# Altium PCB HCRT_STM32_PCB.PcbDoc
Units mm, origin at the board's own origin, x right, y up, seen from the top; angles counter-clockwise.
Board outline 46.48 x 24.56 mm, 2 copper layers (Top Layer, Bottom Layer); 38 components, 49 nets, 178 pads, 40 vias.
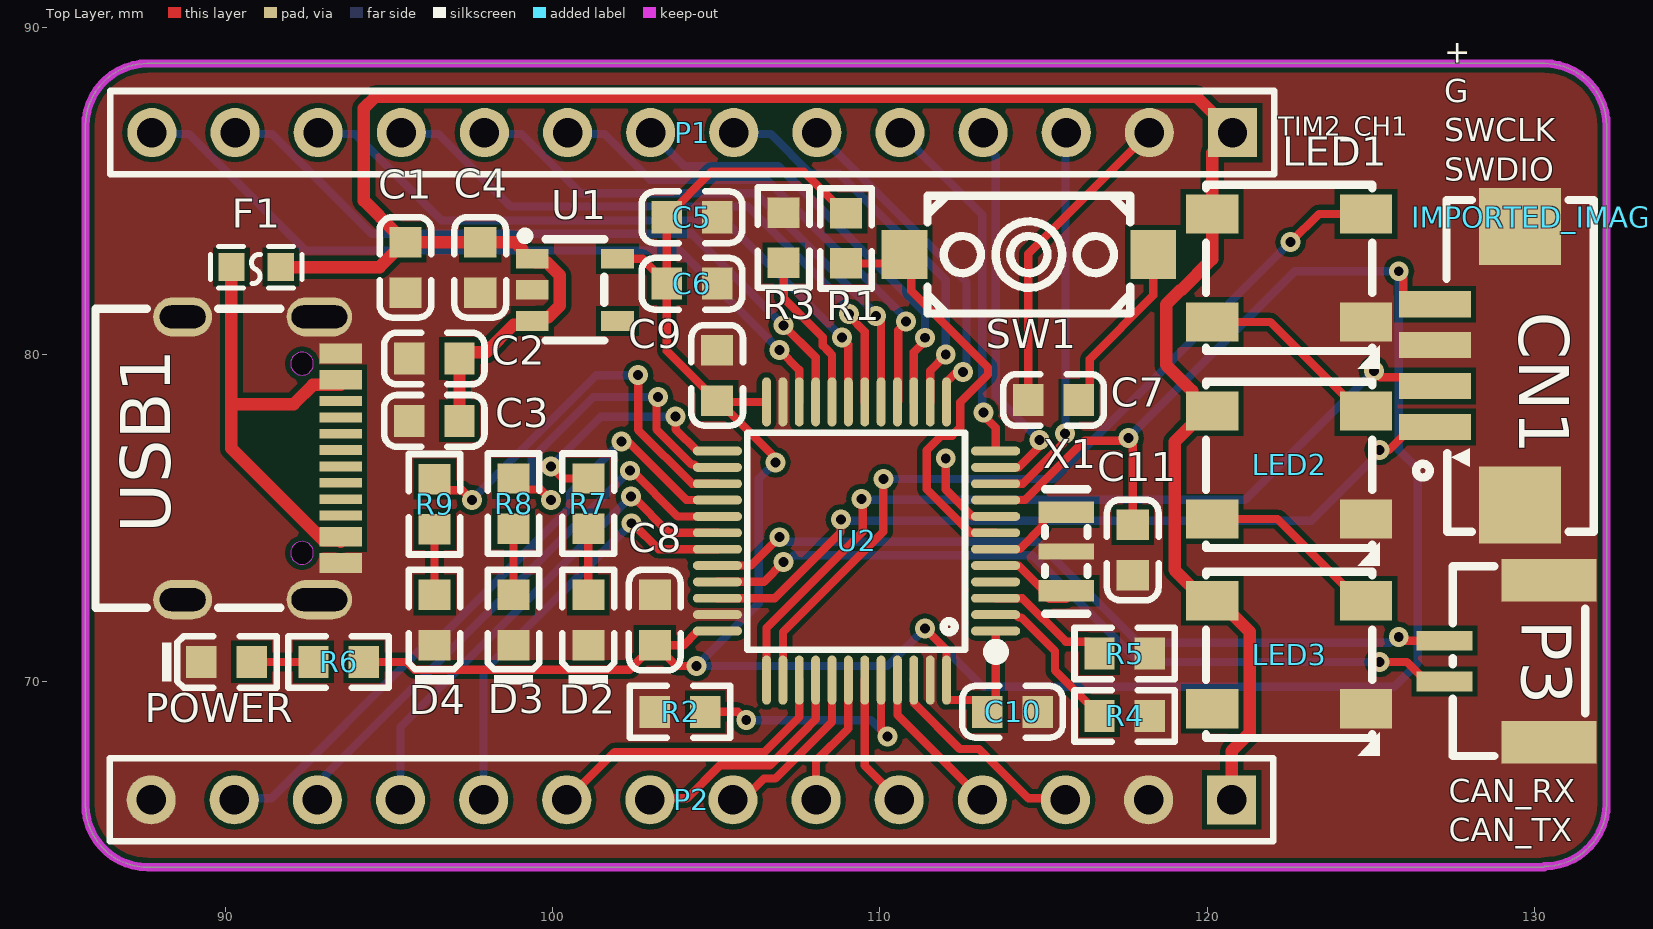
[diagram p0: Top Layer view]
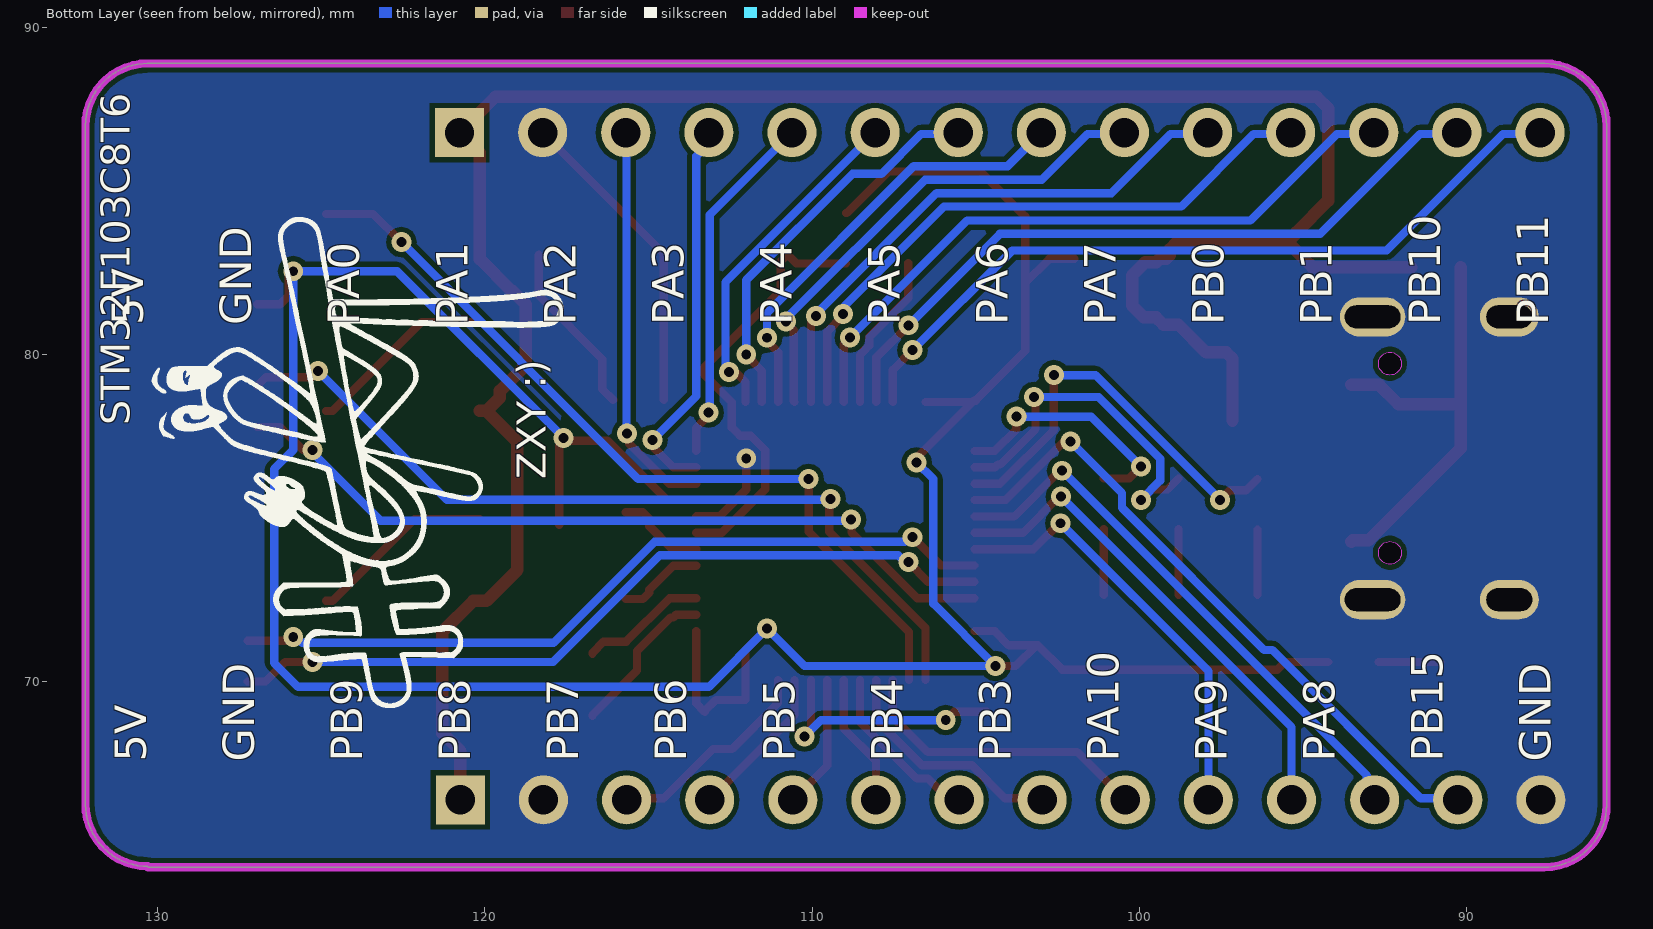
[diagram p1: Bottom Layer view, seen from below]
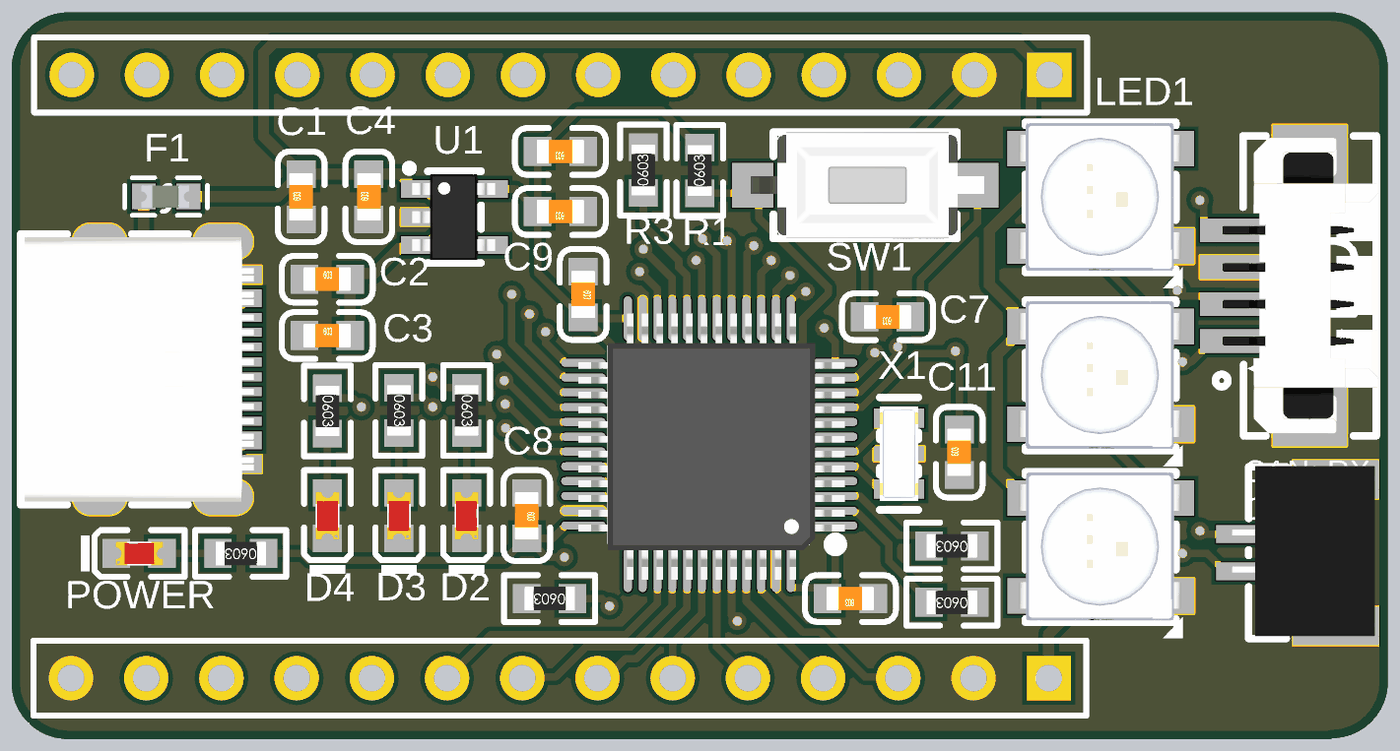
[diagram p2: 3D render of the assembled board from above, using the file's embedded part models]

## Layer stack, top to bottom
Top Solder: solder mask 0.0102, Solder Resist, Dk 3.5
Top Layer: signal copper 0.0356
Dielectric 1: dielectric 0.32, FR-4, Dk 4.8
Bottom Layer: signal copper 0.0356
Bottom Solder: solder mask 0.0102, Solder Resist, Dk 3.5

## Board outline
85.725,66.243 85.725,86.995 cw(c87.63,86.995) 87.63,88.9 130.302,88.9 cw(c130.302,86.995) 132.207,86.995 132.207,66.269 cw(c130.302,66.269) 130.302,64.364 130.302,64.338 87.63,64.338 cw(c87.63,66.243)

## Design rules (kind name [scope] priority, off if disabled: settings)
BoardOutlineClearance [All] p1: gap=0.152 ignorepadtopadclearanceinfootprint=FALSE
Clearance [All] p1: gap=0.152 ignorepadtopadclearanceinfootprint=TRUE
DiffPairsRouting DiffPair_DiffPairsRouting [All] p1: maxlimit=0.254 minlimit=0.152 mostfreqgap=0.152 toplayer_minwidth=0.152 toplayer_maxwidth=0.381 toplayer_prefwidth=0.254 bottomlayer_minwidth=0.152 bottomlayer_maxwidth=0.381 bottomlayer_prefwidth=0.254 maxuncoupledlength=12.7
MatchedLengths DiffPair_MatchedLengths [InDifferentialPair ('NewDifferentialPair1')] p1: tolerance=25.4 checknetsindiffpair=FALSE checkdiffpairvsdiffpair=TRUE checkxsignals=TRUE checkothers=TRUE
MatchedLengths DiffPair_MatchedLengths_1 [InDifferentialPair ('NewDifferentialPair1')] p2: tolerance=25.4 checknetsindiffpair=FALSE checkdiffpairvsdiffpair=TRUE checkxsignals=TRUE checkothers=TRUE
PlaneClearance [All] p1: clearance=0.203
PlaneConnect [All] p1: planeconnectstyle=Direct reliefexpansion=0.508 reliefentries=4 reliefconductorwidth=0.254 reliefairgap=0.254
PolygonConnect [All] p1: connectstyle=Direct reliefconductorwidth=0.254 reliefentries=4 polygonreliefangle="90 Angle" airgapwidth=0.254
RoutingVias [All] p1: holewidth=0.305 width=0.61 viastyle="Through Hole" minholewidth=0.305 minwidth=0.61 maxholewidth=0.711 maxwidth=1.27
SilkToSilkClearance [All] p1: silktosilkclearance=0.102
SilkToSolderMaskClearance [IsPad] p1: minsilkscreentomaskgap=0.051 clearancetoexposedcopper=TRUE
SolderMaskExpansion [IsVia] p1: expansion=0.102 istentingtop=TRUE
Width [All] p1: maxlimit=2.54 minlimit=0.152 preferedwidth=0.254
25 further rules are at their usual default settings.

## Components (designator, comment, footprint, x,y, rotation, side; value= is the part's Value field where it differs from the comment)
C1 "10uF (106) 10% 10V" 0603_C 95.504,82.669 r90 top
C2 "10uF (106) 10% 10V" 0603_C 96.385,79.883 r0 top
C3 "10uF (106) 10% 10V" 0603_C 96.385,77.978 r0 top
C4 "10uF (106) 10% 10V" 0603_C 97.79,82.669 r90 top
C5 "10uF (106) 10% 10V" 0603_C 104.259,84.201 r180 top
C6 "10uF (106) 10% 10V" 0603_C 104.259,82.169 r180 top
C7 "100nF (104) 10% 50V" 0603_C 115.308,78.613 r180 top
C8 "100nF (104) 10% 50V" 0603_C 103.124,71.89 r270 top
C9 "100nF (104) 10% 50V" 0603_C 105.029,79.367 r270 top
C10 "100nF (104) 10% 50V" 0603_C 114.054,69.088 r180 top
C11 "100nF (104) 10% 50V" 0603_C 117.729,74.033 r90 top
CN1 "HC-1.25-4PWT" CONN-SMD_4P-P1.25-HC-1.25-4PWT 128.265,79.667 r90 top
D2 "蓝灯 0603" 0603_LED_S1 101.092,71.89 r90 top
D3 "蓝灯 0603" 0603_LED_S1 98.806,71.89 r90 top
D4 "蓝灯 0603" 0603_LED_S1 96.393,71.89 r90 top
F1 "FUSE0603" F0603 90.941,82.677 r0 top
IMPORTED_IMAGE "Comment" IMPORTED_IMAGE 130.175,84.201 r270 top
LED1 "WS2812C" LED-SMD_4P-L5.0-W5.0-LS5.4-TL-1 122.504,82.652 r0 top
LED2 "WS2812C" LED-SMD_4P-L5.0-W5.0-LS5.4-TL-1 122.504,76.632 r0 top
LED3 "WS2812C" LED-SMD_4P-L5.0-W5.0-LS5.4-TL-1 122.507,70.829 r0 top
P1 "Header 14" HDR1X14 120.777,86.788 r180 top
P2 "Header 14" HDR1X14 120.752,66.396 r180 top
P3 "1.25_2P" CONN-SMD_SM02B-GHS-TB-LF-SN 128.854,70.637 r90 top
POWER "红灯 0603" 0603_LED_S1 90.035,70.612 r0 top (schematic designator D1)
R1 "10KΩ (1002) ±1%" 0603_R 108.966,83.558 r90 top
R2 "100KΩ (1003) ±1%" 0603_R 103.894,69.088 r180 top
R3 "100KΩ (1003) ±1%" 0603_R 107.061,83.574 r90 top
R4 "10KΩ (1002) ±1%" 0603_R 117.483,68.961 r180 top
R5 "10KΩ (1002) ±1%" 0603_R 117.483,70.866 r180 top
R6 "1KΩ (1001) ±1%" 0603_R 93.464,70.612 r180 top
R7 "1KΩ (1001) ±1%" 0603_R 101.092,75.446 r270 top
R8 "1KΩ (1001) ±1%" 0603_R 98.806,75.446 r270 top
R9 "1KΩ (1001) ±1%" 0603_R 96.393,75.43 r270 top
SW1 "K2-1107ST-A4DW-06_C118141" KEY-SMD_L6.2-W3.6-LS8.0 114.554,83.058 r0 top
U1 "XC6210B332MR" SOT-23-5_L3.0-W1.7-P0.95-LS2.8-BR 100.681,81.981 r180 top
U2 "STM32F103CBT6" LQFP-48_L7.0-W7.0-P0.50-LS9.0-BL 109.288,74.307 r90 top
USB1 "KH-TYPE-C-16P" USB-C-SMD_KH-TYPE-C-16P 91.11,76.835 r270 top
X1 "CSTCE8M00G15C99-R0" OSC-SMD_3P-L3.2-W1.3-P1.2-L 115.697,73.985 r270 top value=8MHz

## Footprints (in the part's own frame and the unit in brackets; to place one, negate y for a bottom-side part, rotate by r counter-clockwise, add the part's x,y. Pads: shape width x height; smd on the part's side, far side on the other; paste and mask are expansions set on the pad)
0603_C [mm]
  rect 0.93x0.98 smd: 1(-0.77,0) 2(0.77,0)
  silkscreen extent -1.54,-0.79 1.54,0.79, body extent -0.8,-0.4 0.8,0.4, height 0.3
0603_LED_S1 [mm]
  rect 0.93x0.98 smd: A(0.77,0) K(-0.77,0)
  silkscreen extent -1.98,-0.79 1.54,0.79, body extent -0.8,-0.4 0.8,0.4, height 0.6
0603_R [mm]
  rect 0.93x0.98 smd: 1(-0.77,0) 2(0.77,0)
  silkscreen extent -1.54,-0.79 1.53,0.79, body extent -0.85,-0.4 0.85,0.4, height 0.56
CONN-SMD_4P-P1.25-HC-1.25-4PWT [mil]
  rect 31.5x86.6 smd mask+1.97: 1(-73.8,51.2) 2(-24.6,51.2) 3(24.6,51.2) 4(73.8,51.2)
  rect 92.5x98.4 smd mask+1.97: 5(167.5,-51.2) 6(-167.5,-51.2)
  silkscreen extent -200,-140 199,74, body extent -197,-142 197,65, height 137
CONN-SMD_SM02B-GHS-TB-LF-SN [mil]
  rect 23.6x66.9 smd mask+2: 1(-24.6,63) 2(24.6,63)
  rect 51.2x114.2 smd mask+2: 3(97.4,-63) 4(-97.4,-63)
  silkscreen extent -114,-106 114,53, body extent -111,-115 115,76, height 166
F0603 [mm]
  rect 0.806x0.864 smd mask+0.051: 1(-0.753,0) 2(0.753,0)
  silkscreen extent -1.4,-0.64 1.4,0.64, body extent -0.83,-0.37 0.77,0.38, height 0.75
HDR1X14 [mm] "Connector; Header; 14 Position"
  rect 1.5x1.5 hole 0.9: 1(0,0)
  round 1.5 hole 0.9: 2(2.54,0) 3(5.08,0) 4(7.62,0) 5(10.16,0) 6(12.7,0) 7(15.24,0) 8(17.78,0) 9(20.32,0) 10(22.86,0) 11(25.4,0) 12(27.94,0) 13(30.48,0) 14(33.02,0)
  silkscreen extent -1.27,-1.27 34.29,1.27
IMPORTED_IMAGE [mm]
KEY-SMD_L6.2-W3.6-LS8.0 [mm]
  rect 1.4x1.5 smd mask+0.051: 1(-3.8,0) 2(3.8,0)
  silkscreen extent -3.1,-1.8 3.1,1.8, body extent -3.87,-1.8 4.03,1.8, height 2.68
LED-SMD_4P-L5.0-W5.0-LS5.4-TL-1 [mm]
  rect 1.6x1.2 smd mask+0.05: 1(-2.35,1.65) 2(-2.35,-1.65) 3(2.35,-1.65) 4(2.35,1.65)
  silkscreen extent -2.54,-3.09 2.77,2.54, body extent -2.76,-2.49 2.7,2.51, height 1.68
LQFP-48_L7.0-W7.0-P0.50-LS9.0-BL [mm]
  oval 0.27x1.5 smd mask+0.05: 1(-2.75,-4.25) 2(-2.25,-4.25) 3(-1.75,-4.25) 4(-1.25,-4.25) 5(-0.75,-4.25) 6(-0.25,-4.25) 7(0.25,-4.25) 8(0.75,-4.25) 9(1.25,-4.25) 10(1.75,-4.25) 11(2.25,-4.25) 12(2.75,-4.25) 25(2.75,4.25) 26(2.25,4.25) 27(1.75,4.25) 28(1.25,4.25) 29(0.75,4.25) 30(0.25,4.25) 31(-0.25,4.25) 32(-0.75,4.25) 33(-1.25,4.25) 34(-1.75,4.25) 35(-2.25,4.25) 36(-2.75,4.25)
  oval 1.5x0.27 smd mask+0.05: 13(4.25,-2.75) 14(4.25,-2.25) 15(4.25,-1.75) 16(4.25,-1.25) 17(4.25,-0.75) 18(4.25,-0.25) 19(4.25,0.25) 20(4.25,0.75) 21(4.25,1.25) 22(4.25,1.75) 23(4.25,2.25) 24(4.25,2.75) 37(-4.25,2.75) 38(-4.25,2.25) 39(-4.25,1.75) 40(-4.25,1.25) 41(-4.25,0.75) 42(-4.25,0.25) 43(-4.25,-0.25) 44(-4.25,-0.75) 45(-4.25,-1.25) 46(-4.25,-1.75) 47(-4.25,-2.25) 48(-4.25,-2.75)
  silkscreen extent -3.59,-4.46 3.3,3.34, body extent -4.59,-4.58 4.41,4.42, height 1.56
OSC-SMD_3P-L3.2-W1.3-P1.2-L [mm]
  rect 0.65x1.699 smd mask+0.051: 1(-1.199,0) 3(1.199,0)
  rect 0.5x1.699 smd mask+0.051: 2(0,0)
  silkscreen extent -1.9,-0.65 1.9,0.65, body extent -1.6,-0.65 1.6,0.65, height 0.7
SOT-23-5_L3.0-W1.7-P0.95-LS2.8-BR [mm]
  rect 1x0.6 smd mask+0.051: 1(1.3,-0.95) 2(1.3,0) 3(1.3,0.95) 4(-1.3,0.95) 5(-1.3,-0.95)
  silkscreen extent -0.9,-1.78 1.65,1.55, body extent -1.37,-1.45 1.43,1.45, height 1.45
USB-C-SMD_KH-TYPE-C-16P [mm]
  oval 1.2x2 hole 0.7 slot 1.7 at 90 deg mask+0.051: 1(-4.32,1.765) 2(4.32,1.765)
  oval 1.2x1.8 hole 0.7 slot 1.4 at 90 deg mask+0.051: 3(-4.32,-2.415) 4(4.32,-2.415)
  rect 0.3x1.3 smd mask+0.05: A1(-3.35,2.415) A4(-2.55,2.415) A5(-1.25,2.415) A6(-0.25,2.415) A7(0.25,2.415) A8(1.25,2.415) A9(2.55,2.415) A12(3.35,2.415) B1(3.05,2.415) B4(2.25,2.415) B5(1.75,2.415) B6(0.75,2.415) B7(-0.75,2.415) B8(-1.75,2.415) B9(-2.25,2.415) B12(-3.05,2.415)
  Keep-Out Layer board cut-out: -2.54,1.235 -2.575,1.387 -2.672,1.509 -2.812,1.576 -2.968,1.576 -3.108,1.509 -3.205,1.387 -3.24,1.235 -3.24,1.235 -3.205,1.083 -3.108,0.961 -2.968,0.894 -2.812,0.894 -2.672,0.961 -2.575,1.083 -2.54,1.235
  Keep-Out Layer board cut-out: 3.24,1.235 3.205,1.387 3.108,1.509 2.968,1.576 2.812,1.576 2.672,1.509 2.575,1.387 2.54,1.235 2.54,1.235 2.575,1.083 2.672,0.961 2.812,0.894 2.968,0.894 3.108,0.961 3.205,1.083 3.24,1.235
  silkscreen extent -4.57,-5.08 4.57,0.57, body extent -4.47,-4.95 4.47,2.8, height 3.23

## Part data
C1 C2 C3 C4 C5 C6: library part "0603 10uF (106) 10% 10V", "贴片电容", Package=0603, SuppliersPartNumber=C19702, ComponentLink1Description=供应商链接, ComponentLink1URL=http://www.szlcsc.com/product/details_20411.html, Supplier=LC
C7 C8 C9 C10 C11: library part "0603 100nF (104) 10% 50V", "贴片电容", Package=0603, SuppliersPartNumber=C14663, ComponentLink1Description=供应商链接, ComponentLink1URL=http://www.szlcsc.com/product/details_15331.html, Supplier=LC
CN1: Current Rating (Max)=1A, JLCPCB Part Class="Extended Part", LCSC Part Name="4P 卧贴 间距P=1.25mm", Manufacturer=HCTL(华灿天禄), Operating Temperature Range=-25℃~+85℃, Add into BOM=yes, Convert to PCB=yes, Datasheet=https://atta.szlcsc.com/upload/public/pdf/source/20210728/C2845379_48B7DC28A4B35DB030A7253F7C3FD974.pdf, Device=HC-1.25-4PWT, Gender=公型插针, Manufacturer Part=HC-1.25-4PWT, Mounting Style=卧贴, Name=HC-1.25-4PWT, Number of PINs Per Row=4, Number of Rows=1, Pins Structure=1x4P, Pitch=1.25mm, Reference Series=-, Row Spacing=-, Supplier=LCSC, Supplier Footprint=SMD,P=1.25mm, Supplier Part=C2845381, Symbol=HC-1.25-4PWT
D2 D3 D4: library part "0603 蓝灯", "发光二极管", Package=0603, SuppliersPartNumber=C72041, ComponentLink1Description=供应商链接, ComponentLink1URL=http://www.szlcsc.com/product/details_73150.html, Supplier=LC
F1: Current Rating (Max)=50A, Hold Current=1.5A, JLCPCB Part Class="Extended Part", LCSC Part Name="0603 1.5A 6V", Manufacturer=BHFUSE(佰宏), Manufacturer Part=BSMD0603L-150, Operating Temperature=-40℃~+85℃, Operating Voltage (Max)=6V, Power Dissipation=1W, Resistance - Initial (Ri) (Min)=5mΩ, Resistance - Post Trip (R1) (Max)=55mΩ, Trip Current=3A, Add into BOM=yes, Convert to PCB=yes, Datasheet=https://atta.szlcsc.com/upload/public/pdf/source/20210323/C914094_E2A7202F3A3191041F4CBB065BB19E4A.pdf, Device=BSMD0603L-150, Maximum Time to Trip=500ms, Name=BSMD0603L-150, Supplier=LCSC, Supplier Footprint=0603, Supplier Part=C914094, Symbol=BSMD0603L-150
LED1 LED2 LED3: Emitted Color=RGB三色, JLCPCB Part Class="Extended Part", LCSC Part Name="RGB三色 （注意防潮，请查阅规格书中对应具体内容）", Manufacturer=worldsemi, Add into BOM=yes, Convert to PCB=yes, Datasheet=https://atta.szlcsc.com/upload/public/pdf/source/20171019/C114587_15083980074721044737.pdf, Device=WS2812C, Manufacturer Part=WS2812C, Name=WS2812C, Supplier=LCSC, Supplier Footprint=5050(mm), Supplier Part=C114587, Symbol=WS2812C
P1 P2: "Header, 14-Pin", LatestRevisionDate=17-Jul-2002, LatestRevisionNote="Re-released for DXP Platform.", Publisher="Altium Limited"
P3: JLCPCB Part Class="Extended Part", LCSC Part Name="GH系列 插座 1*2P 间距1.25mm 贴片", Manufacturer=JST, Manufacturer Part=SM02B-GHS-TB(LF)(SN), Add into BOM=yes, Contact Material=磷青铜, Convert to PCB=yes, Datasheet=https://atta.szlcsc.com/upload/public/pdf/source/20180327/C189893_080A21CBA32DEDB99FCCE389533BAAB8.pdf, Device=SM02B-GHS-TB(LF)(SN), Mounting Style=-, Name=SM02B-GHS-TB(LF)(SN), Number of PINs Per Row=2, Number of Rows=1, Pins Structure=1x2P, Pitch=1.25mm, Reference Series=GH, Row Spacing=-, Supplier=LCSC, Supplier Footprint=SMD,P=1.25mm, Supplier Part=C189893, Symbol=SM02B-GHS-TB(LF)(SN)
POWER: library part "0603 红灯", "发光二极管", Package=0603, SuppliersPartNumber=C2286, ComponentLink1Description=供应商链接, ComponentLink1URL=http://www.szlcsc.com/product/details_2659.html, Supplier=LC
R1 R4 R5: library part "0603 10KΩ (1002) 1%", "贴片电阻", Package=0603, SuppliersPartNumber=C25804, ComponentLink1Description=供应商链接, ComponentLink1URL=http://www.szlcsc.com/product/details_26547.html, Supplier=LC
R2 R3: library part "0603 100KΩ (1003) 1%", "贴片电阻", Package=0603, SuppliersPartNumber=C25803, ComponentLink1Description=供应商链接, ComponentLink1URL=http://www.szlcsc.com/product/details_26546.html, Supplier=LC
R6 R7 R8 R9: library part "0603 1KΩ (1001) 1%", "贴片电阻", Package=0603, SuppliersPartNumber=C21190, ComponentLink1Description=供应商链接, ComponentLink1URL=http://www.szlcsc.com/product/details_21904.html, Supplier=LC
SW1: Contact Current=50mA, Insulation Resistance=100MΩ, JLCPCB Part Class="Extended Part", LCSC Part Name="轻触开关 3.6*6.1*2.5", Manufacturer=韩国韩荣, Manufacturer Part=K2-1107ST-A4DW-06, Operating Force=250gf@±30gf, Operating Temperature=-25℃~+85℃, Voltage Rating (DC)=12V, Actuator Style=矩形按钮, Add into BOM=yes, Circuit=单刀单掷, Convert to PCB=yes, Datasheet=https://atta.szlcsc.com/upload/public/pdf/source/20210810/381712CEF248770C072B585C3485C888.pdf, Device=K2-1107ST-A4DW-06_C118141, Mechanical Life=100000, Mounting Style=立贴, Name=K2-1107ST-A4DW-06, Supplier=LCSC, Supplier Footprint=SMD, Supplier Part=C118141, Switch Height=2.5mm, Switch Length=6.1mm, Switch Width=3.6mm, Symbol=K2-1107ST-A4SW-06, With Lamp=-
U1: Dropout Voltage=75mV@(100mA), JLCPCB Part Class="Extended Part", LCSC Part Name="Vin=6V Vout=3.3V 900mA 60dB@(1kHz)", Manufacturer=TOREX(特瑞仕), Maximum Input Voltage=6V, Output Current=900mA, Output Voltage=3.3V, Power Supply Rejection Ratio (PRSS)=60dB@(1kHz), Add into BOM=yes, Convert to PCB=yes, Datasheet=https://atta.szlcsc.com/upload/public/pdf/source/20190903/C424705_1DFB2113A9A78D399905DBF688657204.pdf, Device=XC6210B332MR_C424705, Manufacturer Part=XC6210B332MR, Name=XC6210B332MR, Number of Outputs=1, Output Polarity=正, Output Type=固定, Supplier=LCSC, Supplier Footprint=SOT-25, Supplier Part=C424705, Symbol=XC6210B332MR_C424705
U2: JLCPCB Part Class="Extended Part", Manufacturer=ST(意法半导体), Voltage - Supply (Vcc/Vdd)="2V ~ 3.6V", A/D=16x12bit, Add into BOM=yes, CAN=1, Convert to PCB=yes, Datasheet=https://atta.szlcsc.com/upload/public/pdf/source/20140724/1457707170379.pdf, Device=STM32F103CBT6, I2C（SMBUS/PMBUS）=2, LCSC Part Name=STM32F103CBT6, Manufacturer Part=STM32F103CBT6, Name=STM32F103CBT6, Number of I/O=37, PWM=13, RAM Size=20KB, Speed=72MHz, Supplier=LCSC, Supplier Footprint=LQFP-48_7x7x05P, Supplier Part=C8304, Symbol=STM32F103CBT6, UART/USART="3 USART", USB Device=1
USB1: Current Rating - Power (Max)=3A, JLCPCB Part Class="Extended Part", LCSC Part Name="Type-C 母座 卧贴", Manufacturer=kinghelm(金航标), Operating Temperature Range=-40℃~+85℃, Add into BOM=yes, Connector Type=Type-C, Convert to PCB=yes, Datasheet=https://atta.szlcsc.com/upload/public/pdf/source/20200911/C709357_AA8DCEB38BB20E3035A7ED7AE7667837.pdf, Device=KH-TYPE-C-16P, Gender=母座, Manufacturer Part=KH-TYPE-C-16P, Mounting Style=卧贴, Name=KH-TYPE-C-16P, Number of Contacts=16, Number of Ports=1, Standard=-, Supplier=LCSC, Supplier Footprint=SMD, Supplier Part=C709357, Symbol=KH-TYPE-C-16P
X1: Built-in Load Capacitance=33pF, Frequency Stability=±0.13%, Frequency Tolerance=±0.1%, JLCPCB Part Class="Extended Part", LCSC Part Name="8M ±0.1% 33pF", Manufacturer=muRata(村田), Operating Temperature=-40℃~+125℃, Add into BOM=yes, Convert to PCB=yes, Datasheet=https://atta.szlcsc.com/upload/public/pdf/source/20180327/C110614_9F5031E08ADB10DE4472527BF78A8CAF.pdf, Device=CSTCE8M00G15C99-R0, Manufacturer Part=CSTCE8M00G15C99-R0, Name=8MHz, Resonant Impedance=40Ω, Supplier=LCSC, Supplier Footprint=SMD3213-3P, Supplier Part=C110614, Symbol=CSTCE8M00G15C99-R0

## Via types
v1: diameter 0.61, hole 0.305, Top Layer to Bottom Layer, tented both sides, 40 vias

## Nets (pads, with @x,y where several pads share a name; then routed paths per layer and width w, separated by ;. In a path a pad name is that pad's centre, name@x,y a point inside that pad or via, vN(x,y) a via of type N, cw(c..) or ccw(c..) an arc to the next point about the centre after c; other vN are vias at no path point)
3V3: C5.2 C6.2 C8.2 C9.2 C10.2 C11.2 CN1.4 R1.2 R6.1 U1.5 U2.1 U2.9 U2.24 U2.36 U2.48 | length 100.7
  Top Layer w0.254: R6.1 95.551,70.612 95.787,70.376 102.355,70.376 103.099,71.12 C8.2 C8.2@103.149,71.12 ; U1.5 102.752,82.931 C6.2@103.489,82.194 ; v1(104.394,70.485) 103.784,70.485 C8.2@103.149,71.12 ; U2.36 104.427,71.557 104.42,71.549 104.42,71.545 103.995,71.12 C8.2@103.149,71.12 ; U2.24 C9.2@105.094,78.557 ; v1(106.807,76.708) 106.807,76.844 C9.2@105.094,78.557 ; R1.2 108.941,84.328 107.671,85.598 104.861,85.598 103.489,84.226 C5.2 C6.2@103.489,82.194 ; v1(111.379,71.628) 112.035,70.972 112.035,70.06 U2.48 112.038,69.458 112.046,69.451 112.946,69.451 113.284,69.113 C10.2 113.538,69.342 U2.1 ; U2.9 114.441,75.557 116.258,77.374 v1@117.602,77.374 ; v1@117.602,77.358 117.729,77.231 C11.2 ; v1(125.857,82.55) 125.992,82.415 125.992,81.815 126.265,81.542 CN1.4 ; C6.2@103.489,82.194 C6.2 103.489,80.112 105.004,78.597 C9.2 105.054,78.597 C9.2@105.094,78.557
  Bottom Layer w0.254: v1(106.807,76.708) 106.299,76.2 106.299,72.39 v1(104.394,70.485) 110.236,70.485 v1(111.379,71.628) 113.157,69.85 125.708,69.85 126.441,70.583 126.441,76.501 125.857,77.085 v1(125.857,82.55) 122.682,82.55 v1@117.602,77.47
  other v1: 117.602,77.454
5V: C1.2 C2.2 C3.2 C4.2 F1.2 LED1.1 LED2.1 LED3.1 P1.1 P2.1 U1.1 U1.3 | length 71.4
  Top Layer w0.381: F1.2 94.717,82.677 C1.2@95.479,83.439 ; C3.2 C2.2 97.346,80.074 97.965,80.074 98.813,80.922 99.271,80.922 99.49,81.141 99.866,81.141 100.224,81.499 100.224,82.423 99.825,82.822 99.49,82.822 U1.1 99.181,82.931 99.071,83.04 99.071,83.216 98.848,83.439 C4.2 C1.2 C1.2@95.479,83.439 ; LED2.1 LED2.1@119.954,78.282 ; P2.1 120.752,67.889 121.3,68.437 121.3,71.537 120.357,72.479 LED3.1 119.957,72.479 119.011,73.425 119.011,77.339 LED2.1@119.954,78.282 ; C1.2@95.479,83.439 95.204,83.714 95.204,83.739 94.234,84.709 94.234,87.534 94.581,87.881 119.684,87.881 P1.1 120.154,86.165 LED1.1 120.154,82.923 119.196,81.965 119.176,81.965 118.745,81.534 118.745,79.691 119.545,78.891 119.545,78.691 LED2.1@119.954,78.282
BOOT0: R2.1 U2.44 | length 7.7
  Top Layer w0.254: R2.1 105.664,69.088 v1(105.918,68.834) ; U2.44 110.038,68.524 v1(110.236,68.326)
  Bottom Layer w0.254: v1(105.918,68.834) 109.728,68.834 v1(110.236,68.326)
BOOT1: R3.1 U2.20 | length 4.9
  Top Layer w0.254: R3.1 107.061,81.725 108.257,80.529 108.257,80.278 108.445,80.09 108.538,79.997 U2.20
CAN_RX: P3.2 U2.32 | length 24
  Top Layer w0.254: U2.32 106.069,73.557 v1(106.934,74.422) ; v1(125.857,71.374) 125.969,71.262 P3.2
  Bottom Layer w0.254: v1(106.934,74.422) 107.03,74.422 107.171,74.282 114.818,74.282 117.903,71.196 125.583,71.196 125.761,71.374 v1(125.857,71.374)
CAN_TX: P3.1 U2.33 | length 24.2
  Top Layer w0.254: U2.33 106.458,73.057 v1(107.061,73.66) ; v1(125.273,70.612) 126.105,70.612 126.704,70.013 P3.1
  Bottom Layer w0.254: v1(107.061,73.66) 107.157,73.66 107.372,73.875 114.65,73.875 117.913,70.612 v1(125.273,70.612)
GND: C1.1 C2.1 C3.1 C4.1 C5.1 C6.1 C7.2 C8.1 C9.1 C10.1 C11.1 CN1.3 CN1.5 CN1.6 D2.K D3.K D4.K LED1.3 LED2.3 LED3.3 P1.2 P2.2 P2.14 P3.3 P3.4 POWER.K R2.2 R3.2 R4.1 R5.1 U1.2 U2.8 U2.23 U2.35 U2.47 USB1.1 USB1.2 USB1.3 USB1.4 USB1.A1 USB1.A12 USB1.B1 USB1.B12 X1.2 | length 12.5
  Top Layer w0.254: v1(112.014,76.835) 112.014,75.88 112.834,75.06 113.535,75.06 U2.8 ; C7.2 114.538,83.089 P1.2
LED_IN: LED1.4 U2.38 | length 25.5
  Top Layer w0.254: U2.38 107.038,71.523 110.109,74.594 v1(110.109,76.2) ; v1(122.555,83.439) 123.418,84.302 LED1.4
  Bottom Layer w0.254: v1(110.109,76.2) 115.316,76.2 v1(122.555,83.439)
NetC7_1: C7.1 SW1.2 | length 5.4
  Top Layer w0.254: C7.1 116.416,78.951 116.416,79.87 118.354,81.807 SW1.2
NetD1_A: POWER.A R6.2 | length 1.9
  Top Layer w0.254: POWER.A R6.2
NetD2_A: D2.A R7.2 | length 2
  Top Layer w0.254: D2.A R7.2
NetD3_A: D3.A R8.2 | length 2
  Top Layer w0.254: D3.A R8.2
NetD4_A: D4.A R9.2 | length 2
  Top Layer w0.254: D4.A R9.2
NetLED1_2: LED1.2 LED2.4 | length 5.8
  Top Layer w0.254: LED1.2 121.935,81.001 124.654,78.282 LED2.4
NetLED2_2: LED2.2 LED3.4 | length 5.7
  Top Layer w0.254: LED2.2 122.154,74.982 124.657,72.479 LED3.4
NetR4_2: R4.2 U2.2 | length 4.8
  Top Layer w0.254: U2.2 114.157,72.057 114.243,71.971 114.325,71.971 115.35,70.946 115.35,70.349 116.713,68.986 R4.2
NetR5_2: R5.2 U2.3 | length 3.9
  Top Layer w0.254: U2.3 113.541,72.554 114.36,72.554 115.684,71.229 116.375,71.229 116.713,70.891 R5.2
NetU2_5: U2.5 X1.3 | length 2.6
  Top Layer w0.254: U2.5 113.541,73.554 114.242,73.554 114.615,73.181 114.974,72.822 114.974,72.73 115.172,72.532 X1.3@115.697,72.532
NetU2_6: U2.6 X1.1 | length 2.8
  Top Layer w0.254: U2.6 113.541,74.06 114.277,74.06 114.974,74.757 114.974,74.986 115.172,75.184 X1.1
PA0: P1.3 U2.10 | length 12.1
  Top Layer w0.254: U2.10 113.541,76.06 114.369,76.06 115.586,77.277 115.586,77.528 v1(115.654,77.596)
  Bottom Layer w0.254: v1(115.654,77.596) 115.675,77.618 115.675,86.766 P1.3
PA1: P1.4 U2.11 | length 11.9
  Top Layer w0.254: U2.11 113.541,76.56 114.242,76.56 114.88,77.198 v1(114.88,77.398)
  Bottom Layer w0.254: P1.4 113.157,86.451 113.538,86.07 113.538,78.74 v1(114.88,77.398)
PA2: P1.5 U2.12 | length 10.9
  Top Layer w0.254: v1(113.17,78.232) 113.17,78.136 113.538,77.768 U2.12
  Bottom Layer w0.254: P1.5 113.132,84.273 113.132,78.271 v1(113.17,78.232)
PA3: P1.6 U2.13 | length 10.5
  Top Layer w0.254: U2.13 112.038,79.168 112.268,79.398 112.479,79.398 v1(112.547,79.466)
  Bottom Layer w0.254: P1.6 112.649,82.216 112.649,79.568 v1(112.547,79.466)
PA4: P1.7 U2.14 | length 12.3
  Top Layer w0.254: U2.14 111.541,78.56 111.541,79.513 112.014,79.986 v1(112.014,80.01)
  Bottom Layer w0.254: P1.7 105.584,86.741 106.668,86.741 107.885,85.525 108.766,85.525 112.014,82.276 v1(112.014,80.01)
PA5: P1.8 U2.15 | length 13.5
  Top Layer w0.254: U2.15 111.038,80.081 111.379,80.422 v1(111.379,80.518)
  Bottom Layer w0.254: P1.8 104.026,85.759 106.9,85.759 111.379,81.28 v1(111.379,80.518)
PA6: P1.9 U2.16 | length 15.3
  Top Layer w0.254: U2.16 110.559,78.577 110.559,80.744 110.795,80.981 v1(110.795,81.016)
  Bottom Layer w0.254: P1.9 100.504,86.741 101.588,86.741 102.985,85.344 106.553,85.344 110.795,81.102 v1(110.795,81.016)
PA7: P1.10 U2.17 | length 17
  Top Layer w0.254: v1(109.886,81.184) 109.889,81.184 110.038,81.036 U2.17
  Bottom Layer w0.254: P1.10 97.964,86.741 99.048,86.741 100.852,84.938 106.197,84.938 109.886,81.249 v1(109.886,81.184)
PA8: P2.12 U2.29 | length 17.3
  Top Layer w0.254: v1(102.362,76.454) 102.426,76.454 103.823,75.057 U2.29
  Bottom Layer w0.254: P2.12 93.05,66.634 93.05,67.142 v1(102.362,76.454)
PA9: P2.11 U2.30 | length 15.3
  Top Layer w0.254: v1(102.394,75.66) 102.458,75.66 103.561,74.557 U2.30
  Bottom Layer w0.254: P2.11 95.352,68.617 98.934,72.2 v1(102.394,75.66)
PA10: P2.10 U2.31 | length 13.3
  Top Layer w0.254: v1(102.41,74.849) 102.443,74.849 103.235,74.057 U2.31
  Bottom Layer w0.254: P2.10 97.892,70.331 v1(102.41,74.849)
PB0: P1.11 U2.18 | length 19
  Top Layer w0.254: v1(109.059,81.25) 109.126,81.183 109.126,81.131 109.302,80.954 109.302,80.942 109.538,80.707 U2.18
  Bottom Layer w0.254: P1.11 95.424,86.741 96.508,86.741 98.718,84.531 105.969,84.531 108.944,81.556 ; 108.944,81.555 108.991,81.509 108.991,81.318 v1(109.059,81.25)
PB1: P1.12 U2.19 | length 20.6
  Top Layer w0.254: v1(108.841,80.52) 108.841,80.516 109.038,80.319 U2.19
  Bottom Layer w0.254: P1.12 92.884,86.741 93.968,86.741 96.61,84.099 105.262,84.099 v1(108.841,80.52)
PB3: P2.9 U2.39 | length 9.3
  Top Layer w0.254: P2.9 101.897,67.861 106.469,67.861 107.541,68.933 107.541,70.054 U2.39
PB4: P2.8 U2.40 | length 7.3
  Top Layer w0.254: P2.8 103.018,66.442 104.103,66.442 105.115,67.455 106.637,67.455 107.645,68.462 108.038,68.855 U2.40
PB5: P2.7 U2.41 | length 5.3
  Top Layer w0.254: P2.7 105.806,66.396 106.458,67.048 106.806,67.048 107.645,67.888 108.538,68.781 U2.41
PB6: P2.6 U2.42 | length 4.1
  Top Layer w0.254: P2.6 108.052,67.592 109.038,68.578 U2.42
PB7: P2.5 U2.43 | length 4.1
  Top Layer w0.254: U2.43 109.538,67.449 P2.5
PB8: P2.4 U2.45 | length 4.7
  Top Layer w0.254: U2.45 110.538,68.989 P2.4
PB9: P2.3 U2.46 | length 6.6
  Top Layer w0.254: U2.46 111.041,70.054 111.041,69.353 112.442,67.952 113.031,67.952 114.541,66.442 115.625,66.442 P2.3
PB10: P1.13 U2.21 | length 22
  Top Layer w0.254: v1(107.061,80.899) 108.038,79.922 U2.21
  Bottom Layer w0.254: P1.13 90.344,86.741 91.428,86.741 94.476,83.693 104.267,83.693 v1(107.061,80.899)
PB11: P1.14 U2.22 | length 23.8
  Top Layer w0.254: v1(106.934,80.137) 107.535,79.536 107.535,78.56 U2.22
  Bottom Layer w0.254: P1.14 87.804,86.741 88.888,86.741 92.444,83.185 103.886,83.185 v1(106.934,80.137)
PB12: R7.1 U2.25 | length 7.7
  Top Layer w0.254: v1(99.949,76.581) 100.314,76.216 R7.1 ; v1(103.759,78.105) 103.759,77.721 104.423,77.057 U2.25
  Bottom Layer w0.254: v1(99.949,76.581) 101.473,78.105 v1(103.759,78.105)
PB13: R8.1 U2.26 | length 10.9
  Top Layer w0.254: R8.1 99.144,75.878 99.636,75.878 v1(99.949,75.565) ; v1(103.216,78.705) 103.175,78.664 103.175,77.719 104.251,76.643 104.333,76.643 104.419,76.557 U2.26
  Bottom Layer w0.254: v1(99.949,75.565) 99.365,76.149 99.365,76.823 101.247,78.705 v1(103.216,78.705)
PB14: R9.1 U2.27 | length 12.8
  Top Layer w0.254: R9.1 96.731,75.862 97.239,75.862 v1(97.536,75.565) ; v1(102.616,79.375) 102.616,77.703 104.259,76.06 105.035,76.06 U2.27
  Bottom Layer w0.254: v1(97.536,75.565) 97.536,75.569 101.342,79.375 v1(102.616,79.375)
PB15: P2.13 U2.28 | length 20.3
  Top Layer w0.254: v1(102.108,77.343) 102.299,77.343 104.085,75.557 U2.28
  Bottom Layer w0.254: P2.13 90.318,66.442 91.403,66.442 95.939,70.979 96.189,70.979 100.533,75.323 100.533,75.768 v1(102.108,77.343)
RESET: R1.1 SW1.1 U2.7 | length 13.8
  Top Layer w0.254: R1.1 110.484,82.788 SW1.1 110.964,82.848 110.964,81.949 113.306,79.607 113.306,79.397 112.453,78.544 112.453,77.77 112.21,77.527 111.88,77.527 111.43,77.077 111.43,75.889 112.759,74.56 113.535,74.56 U2.7
SWCLK: CN1.2 U2.37 | length 26.1
  Top Layer w0.254: U2.37 106.538,71.653 109.474,74.589 109.474,75.565 v1(109.442,75.597) ; v1(125.095,79.502) 125.282,79.315 126.691,79.315 CN1.2
  Bottom Layer w0.254: v1(109.442,75.597) 109.474,75.565 121.158,75.565 v1(125.095,79.502)
SWDIO: CN1.1 U2.34 | length 24.4
  Top Layer w0.254: U2.34 106.784,72.557 108.798,74.571 108.798,74.953 v1(108.807,74.962) ; v1(125.273,77.089) 125.561,77.089 126.265,77.793 CN1.1
  Bottom Layer w0.254: v1(108.807,74.962) 108.839,74.93 123.19,74.93 125.273,77.013 v1(125.273,77.089)
VBUS: F1.1 USB1.A4 USB1.A9 USB1.B4 USB1.B9 | length 13.6
  Top Layer w0.381: F1.1 90.187,78.486 ; USB1.A9 93.484,74.325 93,74.325 90.187,77.138 90.187,78.486 ; USB1.B9 93.518,79.078 92.678,79.078 92.086,78.486 90.187,78.486
pads on no net: LED3.2 U1.4 U2.4 USB1.A5 USB1.A6 USB1.A7 USB1.A8 USB1.B5 USB1.B6 USB1.B7 USB1.B8

## Polygon pours and split planes (outlines as drawn)
GND on Bottom Layer "GND_L02_P000" (solid, remove dead copper, pour order 0): 84.582,90.932 84.074,90.424 84.074,63.627 133.604,63.627 132.969,64.262 132.969,90.932
GND on Top Layer "GND_L01_P001" (solid, remove dead copper, pour order 1): 84.709,90.805 84.709,63.5 85.217,62.992 85.598,63.373 135.255,63.373 135.255,89.154 133.604,90.805

## Keep-outs
Keep-Out Layer:
  lines w0.254: 130.302,64.338 87.63,64.338 cw(c87.63,66.243) 85.725,66.243 85.725,86.995 cw(c87.63,86.995) 87.63,88.9 130.302,88.9 cw(c130.302,86.995) 132.207,86.995 132.207,66.269 cw(c130.302,66.269) 130.302,64.364

## Silkscreen, mask and mechanical layers (free items; w line width, h text height)
Top Overlay:
  text "TIM2_CH1" at 122.174,86.487 h1
  text "+ / G / SWCLK / SWDIO" at 127.254,85.09 h1.2
  text "CAN_RX / CAN_TX" at 127.381,64.897 h1.2
Bottom Overlay:
  text "5V /  / GND /  / PA0 /  / PA1 /  / PA2 /  / PA3 /  / PA4 /  / PA5 /  / PA6 /  / PA7 /  / PB0 /  / PB1 /  / PB10 /  / PB11" at 87.191,80.901 h1.65 r270
  text "STM32F103C8T6" at 130.556,77.851 h1.5 r270
  text "ZXY :)" at 117.856,76.2 h1.5 r270
  text "5V /  / GND /  / PB9 /  / PB8 /  / PB7 /  / PB6 /  / PB5 /  / PB4 /  / PB3 /  / PA10 /  / PA9 /  / PA8 /  / PB15 /  / GND" at 87.104,67.564 h1.65 r270
Mechanical 15:
  lines w0.003: 76.406,78.363 76.406,78.363 ; 125.143,76.831 125.143,76.831